# Altium PCB APP_1_PCB.PcbDoc (part 3 of 5) (continued)
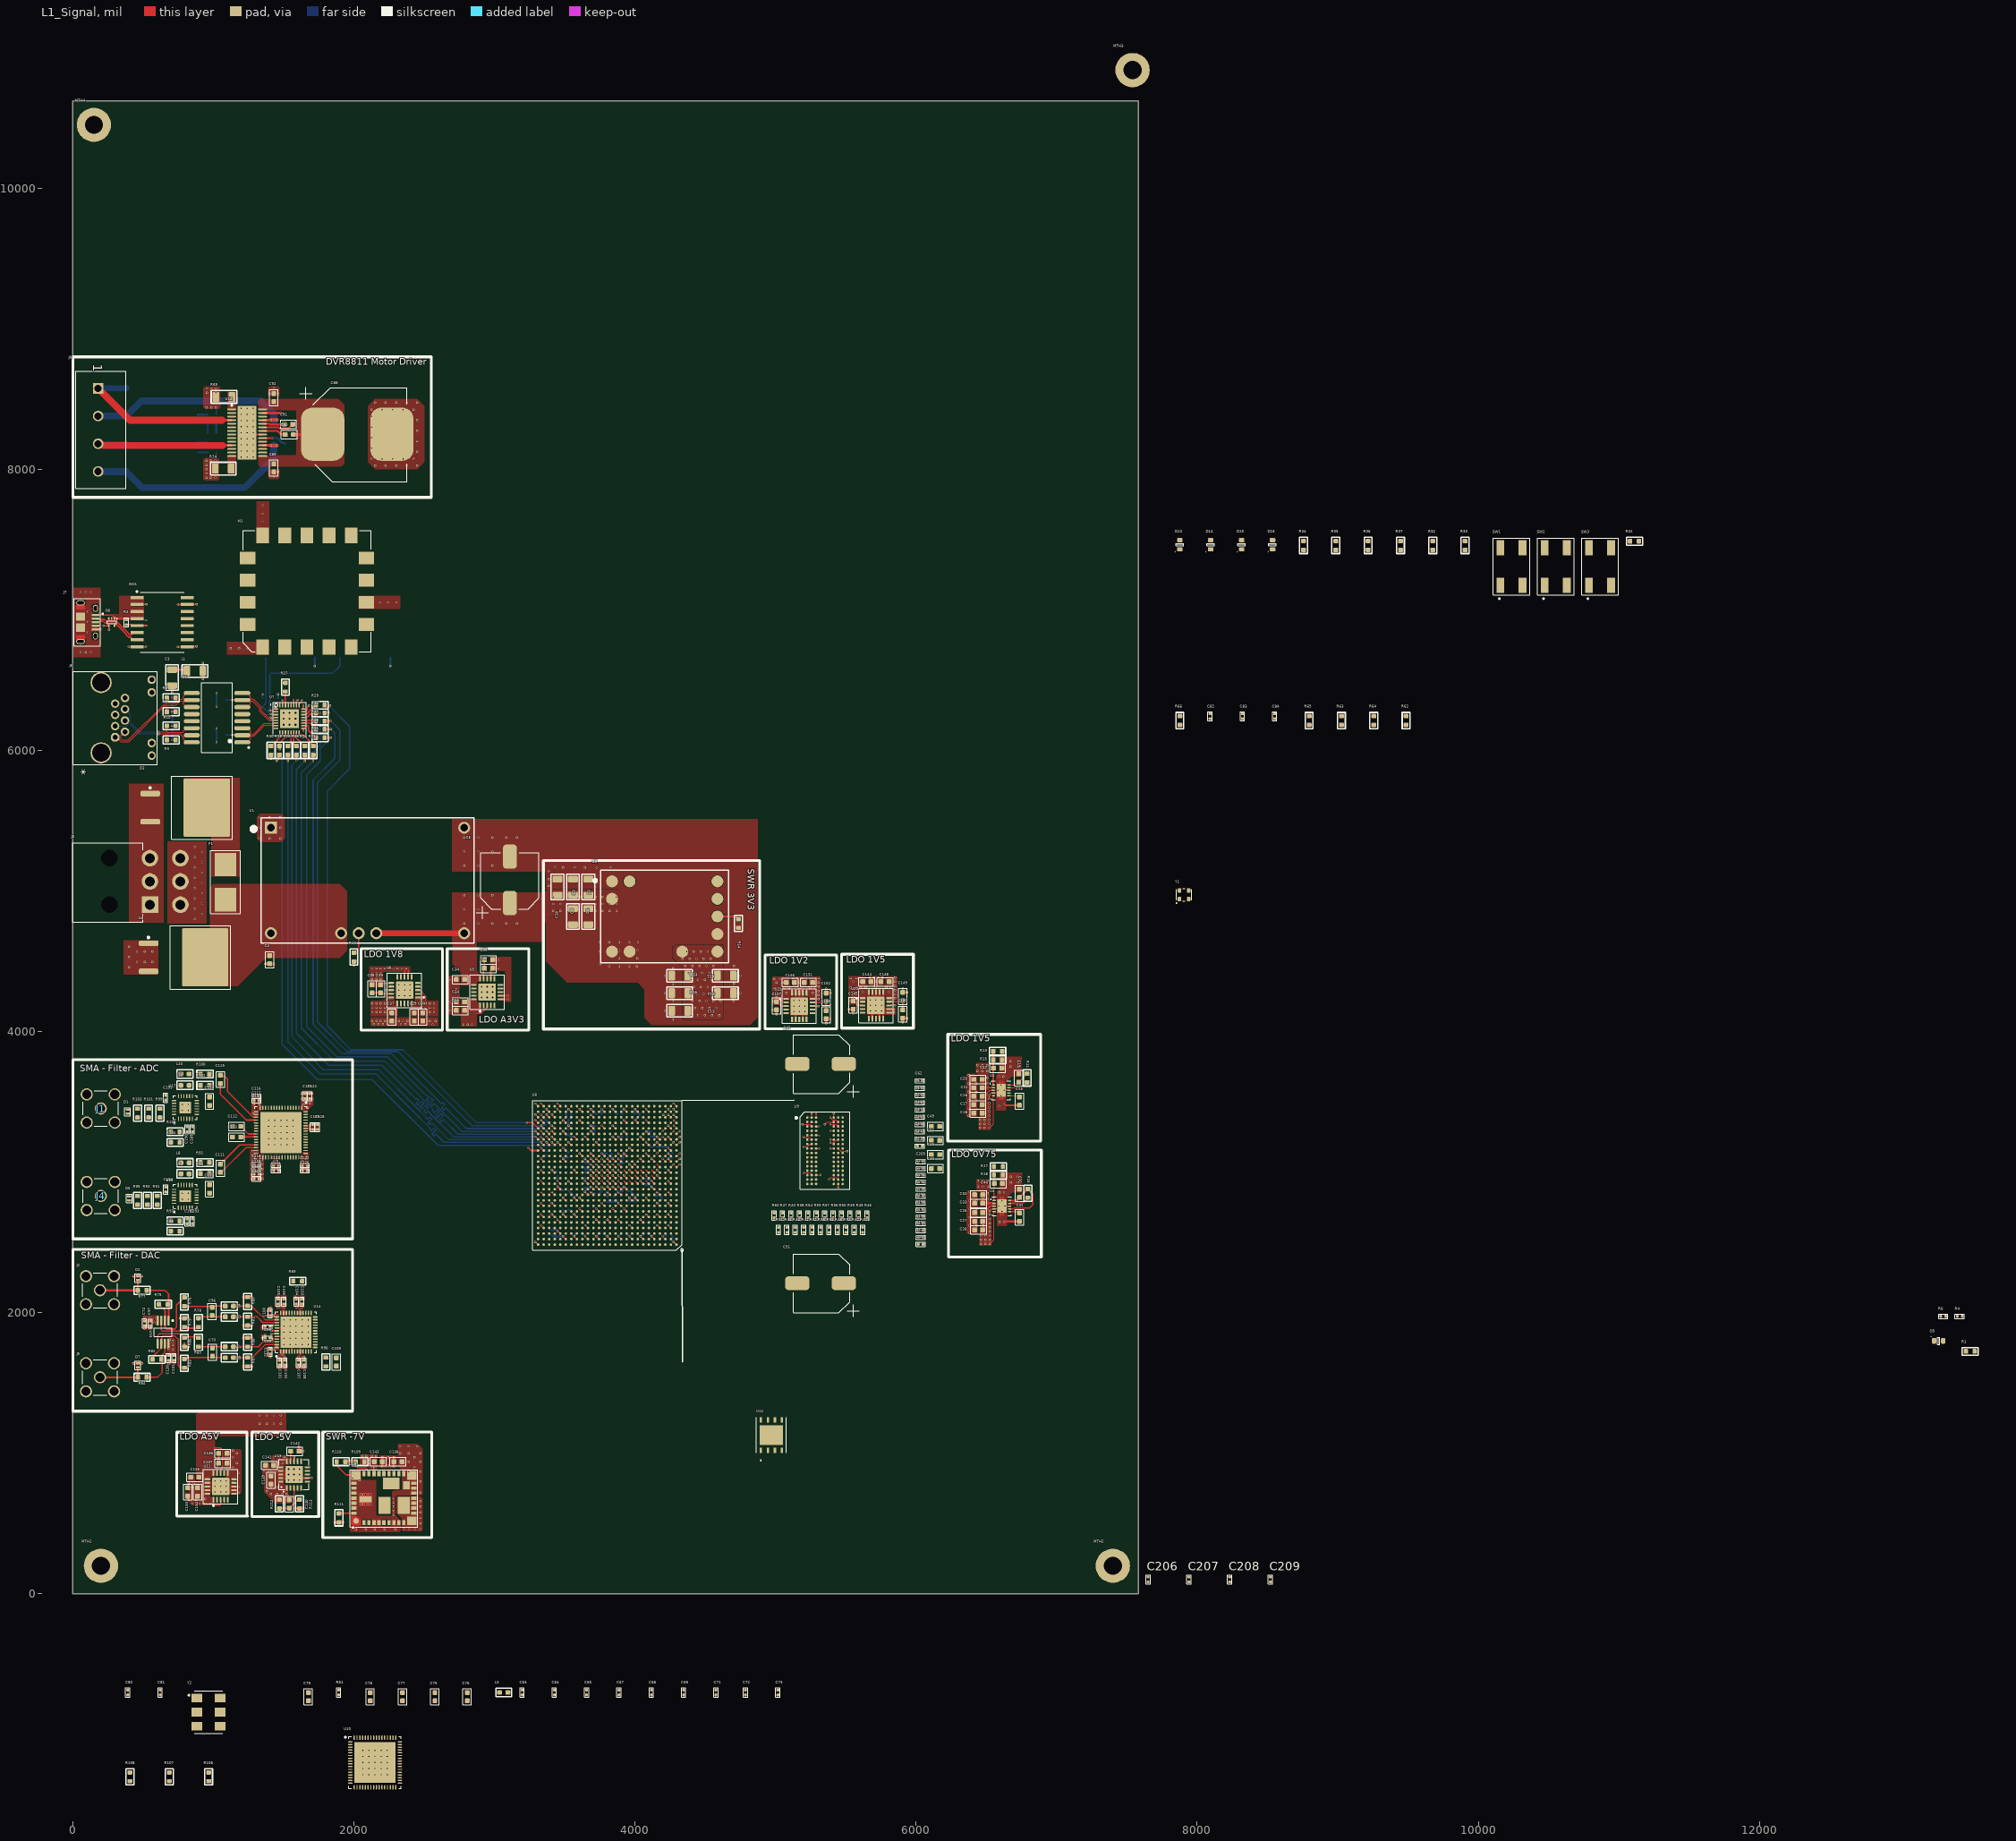
[diagram p0: L1_Signal view]
## Nets (pads, with @x,y where several pads share a name; then routed paths per layer and width w, separated by ;. In a path a pad name is that pad's centre, name@x,y a point inside that pad or via, vN(x,y) a via of type N, cw(c..) or ccw(c..) an arc to the next point about the centre after c; other vN are vias at no path point) (continued)
  L1_Signal w10: 4038.9,3015.92 U8.P7@4058.49,2996.33
DDR3_A4: R42.1 U8.N9 U9.P8 | length 27.9
  L1_Signal w3: 3960.09,2976.55 3960.16,2976.55 ; U8.N9@3979.75,2956.96 U8.N9@3979.83,2956.96
  L1_Signal w10: 3960.16,2976.55 U8.N9@3979.75,2956.96
DDR3_A5: R43.1 U8.R2 U9.P2 | length 1040.8
  L1_Signal w4: U8.R2@4255.42,3036.05 4255.69,3036.05 4274.93,3055.29 v2(4275.2,3055.29) ; v2(5200,2995) 5240.91,2995 U9.P2@5256.7,2979.21
  L3_Signal w7.04: v2(4275.2,3055.29) 4335.49,2995 v2(5200,2995)
DDR3_A6: R44.1 U8.R1 U9.R8 | length 1214.9
  L1_Signal w4: U8.R1@4294.79,3036.05 4297.23,3036.05 4316.47,3055.29 v2(4318.92,3055.29) ; v2(5380.4,2947.71) 5394.25,2961.57 5431.82,2961.57 U9.R8@5445.68,2947.71
  L3_Signal w7.04: v2(4318.92,3055.29) 5272.81,3055.29 v2(5380.4,2947.71)
DDR3_A7: R45.1 U8.P10 U9.R2 | length 27.9
  L1_Signal w3: 3920.72,3015.92 3920.79,3015.92 ; U8.P10@3940.38,2996.33 U8.P10@3940.46,2996.33
  L1_Signal w10: 3920.79,3015.92 U8.P10@3940.38,2996.33
DDR3_A8: R46.1 U8.N4 U9.T8 | length 54
  L1_Signal w3: U8.N4@4176.6,2956.96 U8.N4@4176.68,2956.96
  L1_Signal w10: v2(4157.01,2976.55) U8.N4@4176.6,2956.96 ; v2(5445.68,2890) U9.T8@5445.68,2916.22
DDR3_A9: R47.1 U8.N3 U9.R3
DDR3_A10: R48.1 U8.M10 U9.L7 | length 27.9
  L1_Signal w3: 3920.72,2937.18 3920.79,2937.18 ; U8.M10@3940.38,2917.59 U8.M10@3940.46,2917.59
  L1_Signal w10: 3920.79,2937.18 U8.M10@3940.38,2917.59
DDR3_A11: R49.1 U8.L3 U9.R7
DDR3_A12: R50.1 U8.M8 U9.N7 | length 27.9
  L1_Signal w3: 3999.46,2937.18 3999.53,2937.18 ; U8.M8@4019.12,2917.59 U8.M8@4019.2,2917.59
  L1_Signal w10: 3999.53,2937.18 U8.M8@4019.12,2917.59
DDR3_A13: R51.1 U8.M6 U9.T3 | length 27.9
  L1_Signal w3: 4078.2,2937.18 4078.27,2937.18 ; U8.M6@4097.86,2917.59 U8.M6@4097.94,2917.59
  L1_Signal w10: 4078.27,2937.18 U8.M6@4097.86,2917.59
DDR3_BA0: R52.1 U8.P3 U9.M2
DDR3_BA1: R53.1 U8.P1 U9.N8
DDR3_BA2: R54.1 U8.N5 U9.M3 | length 27.9
  L1_Signal w3: 4117.57,2976.55 4117.64,2976.55 ; U8.N5@4137.23,2956.96 U8.N5@4137.31,2956.96
  L1_Signal w10: 4117.64,2976.55 U8.N5@4137.23,2956.96
DDR3_CAS_N: R58.1 U8.P8 U9.K3 | length 27.9
  L1_Signal w3: 3999.46,3015.92 3999.53,3015.92 ; U8.P8@4019.12,2996.33 U8.P8@4019.2,2996.33
  L1_Signal w10: 3999.53,3015.92 U8.P8@4019.12,2996.33
DDR3_CK_N: R56.1 U8.R3 U9.K7
DDR3_CK_P: R55.2 U8.R4 U9.J7 | length 27.9
  L1_Signal w3: 4156.94,3055.29 4157.01,3055.29 ; U8.R4@4176.6,3035.7 U8.R4@4176.68,3035.7
  L1_Signal w10: 4157.01,3055.29 U8.R4@4176.6,3035.7
DDR3_CKE: U8.M9 | length 27.9
  L1_Signal w3: 3960.09,2937.18 3960.16,2937.18 ; U8.M9@3979.75,2917.59 U8.M9@3979.83,2917.59
  L1_Signal w10: 3960.16,2937.18 U8.M9@3979.75,2917.59
DDR3_DM: U8.W3
DDR3_DQ0: U8.Y3 U9.E3 | length 1425.3
  L1_Signal w4: v2(4195.95,3252.14) 4196.38,3252.14 4215.62,3232.9 U8.Y3@4216.05,3232.9 ; U9.E3@5288.2,3262.67 v2(5310,3262.67)
  L3_Signal w7.04: v2(4195.95,3252.14) 4197.13,3253.33 4214,3253.33 4226.84,3266.16 4864.95,3266.16 4868.47,3266.16 ccw(c4868.47,3273.2) 4875.5,3273.2 4875.5,3280.14 cw(c4881.52,3280.14) 4881.52,3286.16 cw(c4881.52,3280.14) 4887.54,3280.14 4887.54,3252.18 ccw(c4893.56,3252.18) 4893.56,3246.16 ccw(c4893.56,3252.18) 4899.58,3252.18 4899.58,3280.14 cw(c4905.6,3280.14) 4905.6,3286.16 cw(c4905.6,3280.14) 4911.62,3280.14 4911.62,3252.18 ccw(c4917.64,3252.18) 4917.64,3246.16 ccw(c4917.64,3252.18) 4923.66,3252.18 4923.66,3280.14 cw(c4929.68,3280.14) 4929.68,3286.16 cw(c4929.68,3280.14) 4935.7,3280.14 4935.7,3252.18 ccw(c4941.72,3252.18) 4941.72,3246.16 ccw(c4941.72,3252.18) 4947.73,3252.18 4947.73,3277.81 cw(c4953.75,3277.81) 4953.75,3283.83 cw(c4953.75,3277.81) 4959.77,3277.81 4959.77,3259.12 ccw(c4965.79,3259.12) 4965.79,3253.1 ccw(c4965.79,3259.12) 4971.81,3259.12 cw(c4978.85,3259.12) 4978.85,3266.16 5100.19,3266.16 5304.35,3266.16 5307.85,3262.67 v2(5310,3262.67)
DDR3_DQ1: U8.Y1 U9.F7 | length 1425.2
  L1_Signal w4: U8.Y1@4294.79,3232.9 4297.23,3232.9 4316.47,3252.14 v2(4318.92,3252.14) ; v2(5390,3231.18) U9.F7@5414.18,3231.18
  L3_Signal w7.04: v2(4318.92,3252.14) 4520,3252.14 4535.56,3252.14 cw(c4535.56,3245.11) 4542.6,3245.11 4542.6,3238.16 ccw(c4548.62,3238.16) 4548.62,3232.14 ccw(c4548.62,3238.16) 4554.64,3238.16 4554.64,3250.11 cw(c4560.65,3250.11) 4560.65,3256.12 cw(c4560.65,3250.11) 4566.67,3250.11 4566.67,3238.16 ccw(c4572.69,3238.16) 4572.69,3232.14 ccw(c4572.69,3238.16) 4578.71,3238.16 4578.71,3250.11 cw(c4584.73,3250.11) 4584.73,3256.12 cw(c4584.73,3250.11) 4590.75,3250.11 4590.75,3238.16 ccw(c4596.77,3238.16) 4596.77,3232.14 ccw(c4596.77,3238.16) 4602.79,3238.16 4602.79,3250.11 cw(c4608.81,3250.11) 4608.81,3256.12 cw(c4608.81,3250.11) 4614.83,3250.11 4614.83,3238.16 ccw(c4620.85,3238.16) 4620.85,3232.14 ccw(c4620.85,3238.16) 4626.87,3238.16 4626.87,3250.11 cw(c4632.89,3250.11) 4632.89,3256.12 cw(c4632.89,3250.11) 4638.9,3250.11 4638.9,3238.16 ccw(c4644.92,3238.16) 4644.92,3232.14 ccw(c4644.92,3238.16) 4650.94,3238.16 4650.94,3250.11 cw(c4656.96,3250.11) 4656.96,3256.12 cw(c4656.96,3250.11) 4662.98,3250.11 4662.98,3238.16 ccw(c4669,3238.16) 4669,3232.14 ccw(c4669,3238.16) 4675.02,3238.16 4675.02,3250.11 cw(c4681.04,3250.11) 4681.04,3256.12 cw(c4681.04,3250.11) 4687.06,3250.11 4687.06,3238.16 ccw(c4693.08,3238.16) 4693.08,3232.14 ccw(c4693.08,3238.16) 4699.1,3238.16 4699.1,3250.11 cw(c4705.12,3250.11) 4705.12,3256.12 cw(c4705.12,3250.11) 4711.14,3250.11 4711.14,3239.67 ccw(c4717.15,3239.67) 4717.15,3233.65 ccw(c4717.16,3239.67) 4723.17,3239.67 4723.17,3245.11 cw(c4730.21,3245.11) 4730.21,3252.14 4816.28,3252.14 4843.98,3252.14 4864.95,3231.18 v2(5390,3231.18)
DDR3_DQ2: U8.W2 U9.F2 | length 1331.2
  L1_Signal w4: v2(5200,3250) 5201.19,3248.81 5239.06,3248.81 U9.F2@5256.7,3231.18
  L1_Signal w7.04: U8.W2@4255.42,3193.53 4256.07,3193.53 4274.54,3212 v2(4275.2,3212)
  L10_Signal w7.04: v2(4275.2,3212) 4289.22,3226.02 4609.65,3226.02 4613.17,3226.02 ccw(c4613.17,3233.06) 4620.21,3233.06 4620.21,3240 cw(c4626.23,3240) 4626.23,3246.02 cw(c4626.23,3240) 4632.25,3240 4632.25,3212.04 ccw(c4638.27,3212.04) 4638.27,3206.02 ccw(c4638.27,3212.04) 4644.29,3212.04 4644.29,3240 cw(c4650.31,3240) 4650.31,3246.02 cw(c4650.31,3240) 4656.33,3240 4656.33,3212.04 ccw(c4662.34,3212.04) 4662.34,3206.02 ccw(c4662.34,3212.04) 4668.36,3212.04 4668.36,3240 cw(c4674.38,3240) 4674.38,3246.02 cw(c4674.38,3240) 4680.4,3240 4680.4,3212.04 ccw(c4686.42,3212.04) 4686.42,3206.02 ccw(c4686.42,3212.04) 4692.44,3212.04 4692.44,3240 cw(c4698.46,3240) 4698.46,3246.02 cw(c4698.46,3240) 4704.48,3240 4704.48,3212.04 ccw(c4710.5,3212.04) 4710.5,3206.02 ccw(c4710.5,3212.04) 4716.52,3212.04 4716.52,3235.65 cw(c4722.54,3235.65) 4722.54,3241.66 cw(c4722.54,3235.65) 4728.56,3235.65 4728.56,3233.06 ccw(c4735.59,3233.06) 4735.59,3226.02 4965.72,3226.02 5176.02,3226.02 v2(5200,3250)
DDR3_DQ3: U8.W1 U9.F8 | length 1426
  L1_Signal w4: U8.W1@4294.79,3193.53 4311.15,3209.9 4316.82,3209.9 v2(4318.92,3212) ; v2(5390,3210) 5404.9,3210 5408.44,3213.54 5416.14,3213.54 5431.15,3228.55 5443.05,3228.55 U9.F8@5445.68,3231.18
  L3_Signal w7.04: v2(4318.92,3212) 4319.92,3211 4476.03,3211 4479.55,3211 ccw(c4479.55,3218.04) 4486.59,3218.04 4486.59,3224.98 cw(c4492.61,3224.98) 4492.61,3231 cw(c4492.61,3224.98) 4498.63,3224.98 4498.63,3197.02 ccw(c4504.65,3197.02) 4504.65,3191 ccw(c4504.65,3197.02) 4510.66,3197.02 4510.66,3224.98 cw(c4516.68,3224.98) 4516.68,3231 cw(c4516.68,3224.98) 4522.7,3224.98 4522.7,3197.02 ccw(c4528.72,3197.02) 4528.72,3191 ccw(c4528.72,3197.02) 4534.74,3197.02 4534.74,3216.09 cw(c4540.76,3216.09) 4540.76,3222.11 cw(c4540.76,3216.09) 4546.78,3216.09 4546.78,3197.02 ccw(c4552.8,3197.02) 4552.8,3191 ccw(c4552.8,3197.02) 4558.82,3197.02 4558.82,3216.09 cw(c4564.84,3216.09) 4564.84,3222.11 cw(c4564.84,3216.09) 4570.86,3216.09 4570.86,3200.54 ccw(c4576.88,3200.54) 4576.88,3194.52 ccw(c4576.88,3200.54) 4582.9,3200.54 4582.9,3211 cw(c4588.92,3211) 4588.92,3217.02 cw(c4588.92,3211) 4594.93,3211 4594.93,3203.96 ccw(c4600.95,3203.96) 4600.95,3197.94 ccw(c4600.95,3203.96) 4606.97,3203.96 cw(c4614.01,3203.96) 4614.01,3211 4825.15,3211 5389,3211 v2(5390,3210)
DDR3_DQ4: U8.T3 U9.H3 | length 1331.1
  L1_Signal w4: v2(4196.38,3094.66) 4196.59,3094.66 4215.83,3075.42 U8.T3@4216.05,3075.42 ; U9.H3@5288.2,3168.18 v2(5310,3168.18)
  L10_Signal w7.04: v2(4196.38,3094.66) 4215.92,3094.66 4241.28,3120.01 4284.19,3120.01 4358.19,3194.02 4378.02,3194.02 4381.54,3194.02 ccw(c4381.54,3201.06) 4388.58,3201.06 4388.58,3208 cw(c4394.6,3208) 4394.6,3214.02 cw(c4394.6,3208) 4400.62,3208 4400.62,3180.04 ccw(c4406.64,3180.04) 4406.64,3174.02 ccw(c4406.64,3180.04) 4412.65,3180.04 4412.65,3206.38 cw(c4418.67,3206.38) 4418.67,3212.4 cw(c4418.67,3206.38) 4424.69,3206.38 4424.69,3186.98 ccw(c4430.71,3186.98) 4430.71,3180.96 ccw(c4430.71,3186.98) 4436.73,3186.98 cw(c4443.77,3186.98) 4443.77,3194.02 4617.53,3194.02 5284.16,3194.02 v2(5310,3168.18)
DDR3_DQ5: U8.T1 U9.H8 | length 1425.4
  L1_Signal w4: U8.T1@4294.79,3075.07 4297.06,3075.07 4316.65,3094.66 v2(4318.92,3094.66) ; U9.H8@5445.68,3168.18 5463.31,3150.55 5509.45,3150.55 v2(5510,3150)
  L3_Signal w7.04: v2(4318.92,3094.66) 4520,3094.66 4542.6,3094.66 4546.12,3094.66 ccw(c4546.12,3101.7) 4553.16,3101.7 4553.16,3108.64 cw(c4559.17,3108.64) 4559.17,3114.66 cw(c4559.17,3108.64) 4565.19,3108.64 4565.19,3080.68 ccw(c4571.21,3080.68) 4571.21,3074.66 ccw(c4571.21,3080.68) 4577.23,3080.68 4577.23,3102.59 cw(c4583.25,3102.59) 4583.25,3108.61 cw(c4583.25,3102.59) 4589.27,3102.59 4589.27,3087.62 ccw(c4595.29,3087.62) 4595.29,3081.61 ccw(c4595.29,3087.62) 4601.31,3087.62 cw(c4608.35,3087.63) 4608.35,3094.66 4660,3094.66 4875.5,3094.66 5454.66,3094.66 v2(5510,3150)
DDR3_DQ6: U8.U2 U9.G2 | length 1425.6
  L1_Signal w4: v2(4235.75,3134.03) U8.U2@4255.38,3114.44 ; v2(5200,3180) 5202.04,3182.04 5227.16,3182.04 5242.18,3197.06 5254.07,3197.06 U9.G2@5256.7,3199.68
  L3_Signal w7.04: v2(4235.75,3134.03) 4281.72,3180 4606.97,3180 4610.49,3180 ccw(c4610.49,3187.04) 4617.53,3187.04 4617.53,3193.98 cw(c4623.55,3193.98) 4623.55,3200 cw(c4623.55,3193.98) 4629.57,3193.98 4629.57,3166.02 ccw(c4635.59,3166.02) 4635.59,3160 ccw(c4635.59,3166.02) 4641.61,3166.02 4641.61,3193.98 cw(c4647.63,3193.98) 4647.63,3200 cw(c4647.63,3193.98) 4653.65,3193.98 4653.65,3166.02 ccw(c4659.67,3166.02) 4659.67,3160 ccw(c4659.67,3166.02) 4665.69,3166.02 4665.69,3193.98 cw(c4671.7,3193.98) 4671.7,3200 cw(c4671.7,3193.98) 4677.72,3193.98 4677.72,3166.02 ccw(c4683.74,3166.02) 4683.74,3160 ccw(c4683.74,3166.02) 4689.76,3166.02 4689.76,3193.98 cw(c4695.78,3193.98) 4695.78,3200 cw(c4695.78,3193.98) 4701.8,3193.98 4701.8,3166.02 ccw(c4707.82,3166.02) 4707.82,3160 ccw(c4707.82,3166.02) 4713.84,3166.02 4713.84,3193.98 cw(c4719.86,3193.98) 4719.86,3200 cw(c4719.86,3193.98) 4725.88,3193.98 4725.88,3172.78 ccw(c4731.9,3172.78) 4731.9,3166.77 ccw(c4731.9,3172.78) 4737.92,3172.78 4737.92,3187.04 cw(c4743.94,3187.04) 4743.94,3193.06 cw(c4743.94,3187.04) 4749.95,3187.04 ccw(c4756.99,3187.04) 4756.99,3180 4965.79,3180 v2(5200,3180)
DDR3_DQ7: U8.U1 U9.H7 | length 1331.7
  L1_Signal w4: U8.U1@4294.79,3114.44 4296.61,3114.44 4317.09,3134.92 v2(4318.92,3134.92) ; v2(5390,3168.18) U9.H7@5414.18,3168.18
  L10_Signal w7.04: v2(4318.92,3134.92) 4455.2,3134.92 4458.72,3134.92 ccw(c4458.72,3141.96) 4465.76,3141.96 4465.76,3148.9 cw(c4471.78,3148.9) 4471.78,3154.92 cw(c4471.78,3148.9) 4477.8,3148.9 4477.8,3120.94 ccw(c4483.82,3120.94) 4483.82,3114.92 ccw(c4483.82,3120.94) 4489.83,3120.94 4489.83,3148.9 cw(c4495.85,3148.9) 4495.85,3154.92 cw(c4495.85,3148.9) 4501.87,3148.9 4501.87,3120.94 ccw(c4507.89,3120.94) 4507.89,3114.92 ccw(c4507.89,3120.94) 4513.91,3120.94 4513.91,3148.9 cw(c4519.93,3148.9) 4519.93,3154.92 cw(c4519.93,3148.9) 4525.95,3148.9 4525.95,3127.4 ccw(c4531.97,3127.4) 4531.97,3121.39 ccw(c4531.97,3127.4) 4537.99,3127.4 4537.99,3127.88 cw(c4545.03,3127.88) 4545.03,3134.92 4880,3134.92 5356.74,3134.92 v2(5390,3168.18)
DDR3_DQ8: U8.AA2 U9.D7 | length 1422.1
  L1_Signal w4: U8.AA2@4255.42,3272.27 4255.82,3272.27 4275.49,3291.94 v2(4275.89,3291.94) ; v2(5390,3294.17) U9.D7@5414.18,3294.17
  L3_Signal w7.04: v2(4275.89,3291.94) 4289.91,3277.92 4708.16,3277.92 4730.32,3300.09 4733.84,3300.09 ccw(c4733.84,3307.13) 4740.88,3307.13 4740.88,3314.07 cw(c4746.9,3314.07) 4746.9,3320.09 cw(c4746.9,3314.07) 4752.92,3314.07 4752.92,3286.11 ccw(c4758.94,3286.11) 4758.94,3280.09 ccw(c4758.94,3286.11) 4764.96,3286.11 4764.96,3314.07 cw(c4770.98,3314.07) 4770.98,3320.09 cw(c4770.98,3314.07) 4777,3314.07 4777,3286.11 ccw(c4783.02,3286.11) 4783.02,3280.09 ccw(c4783.02,3286.11) 4789.04,3286.11 4789.04,3314.07 cw(c4795.05,3314.07) 4795.05,3320.09 cw(c4795.05,3314.07) 4801.07,3314.07 4801.07,3286.11 ccw(c4807.09,3286.11) 4807.09,3280.09 ccw(c4807.09,3286.11) 4813.11,3286.11 4813.11,3314.07 cw(c4819.13,3314.07) 4819.13,3320.09 cw(c4819.13,3314.07) 4825.15,3314.07 4825.15,3307.13 ccw(c4832.19,3307.13) 4832.19,3300.09 4986.94,3300.09 5381.92,3300.09 5387.85,3294.17 v2(5390,3294.17)
DDR3_DQ9: U8.AA1 U9.C3 | length 1331.3
  L1_Signal w3: U8.AA1@4294.79,3272.27 U8.AA1@4295.88,3272.27 ; v2@4315.55,3291.94 v2(4316.65,3291.94)
  L1_Signal w7.04: U8.AA1@4295.88,3272.27 v2@4315.55,3291.94 ; U9.C3@5288.2,3325.66 v2(5310,3325.66)
  L10_Signal w7.04: v2(4316.65,3291.94) 4475.94,3291.94 4479.46,3291.94 ccw(c4479.46,3298.98) 4486.5,3298.98 4486.5,3305.92 cw(c4492.52,3305.92) 4492.52,3311.94 cw(c4492.52,3305.92) 4498.54,3305.92 4498.54,3277.96 ccw(c4504.56,3277.96) 4504.56,3271.94 ccw(c4504.56,3277.96) 4510.58,3277.96 4510.58,3305.92 cw(c4516.6,3305.92) 4516.6,3311.94 cw(c4516.6,3305.92) 4522.62,3305.92 4522.62,3277.96 ccw(c4528.64,3277.96) 4528.64,3271.94 ccw(c4528.64,3277.96) 4534.66,3277.96 4534.66,3305.92 cw(c4540.68,3305.92) 4540.68,3311.94 cw(c4540.68,3305.92) 4546.69,3305.92 4546.69,3277.96 ccw(c4552.71,3277.96) 4552.71,3271.94 ccw(c4552.71,3277.96) 4558.73,3277.96 4558.73,3305.92 cw(c4564.75,3305.92) 4564.75,3311.94 cw(c4564.75,3305.92) 4570.77,3305.92 4570.77,3278.18 ccw(c4576.79,3278.18) 4576.79,3272.16 ccw(c4576.79,3278.18) 4582.81,3278.18 4582.81,3284.91 cw(c4589.85,3284.91) 4589.85,3291.94 4965.72,3291.94 5276.28,3291.94 v2(5310,3325.66)
DDR3_DQ10: U8.AE2 U9.C8 | length 1424.7
  L1_Signal w4: v2(4235.75,3448.99) v2@4235.96,3448.99 ; U8.AE2@4255.2,3429.75 U8.AE2@4255.42,3429.75 ; v2(5390,3340) 5431.34,3340 U9.C8@5445.68,3325.66
  L1_Signal w7.04: v2@4235.96,3448.99 U8.AE2@4255.2,3429.75
  L3_Signal w7.04: v2(4235.75,3448.99) 4237.15,3450.4 4253.81,3450.4 4266.43,3463.01 4523.65,3463.01 4527.17,3463.01 ccw(c4527.17,3470.05) 4534.2,3470.05 4534.2,3476.99 cw(c4540.22,3476.99) 4540.22,3483.01 cw(c4540.22,3476.99) 4546.24,3476.99 4546.24,3465.05 ccw(c4552.26,3465.05) 4552.26,3459.03 ccw(c4552.26,3465.05) 4558.28,3465.05 4558.28,3476.99 cw(c4564.3,3476.99) 4564.3,3483.01 cw(c4564.3,3476.99) 4570.32,3476.99 4570.32,3465.05 ccw(c4576.34,3465.05) 4576.34,3459.03 ccw(c4576.34,3465.05) 4582.36,3465.05 4582.36,3475.34 cw(c4588.38,3475.34) 4588.38,3481.36 cw(c4588.38,3475.34) 4594.4,3475.34 4594.4,3465.05 ccw(c4600.42,3465.05) 4600.42,3459.03 ccw(c4600.42,3465.05) 4606.43,3465.05 4606.43,3470.05 cw(c4612.45,3470.05) 4612.45,3476.07 cw(c4612.45,3470.05) 4618.47,3470.05 ccw(c4625.51,3470.05) 4625.51,3463.01 4784.89,3463.01 5266.99,3463.01 v2(5390,3340)
DDR3_DQ11: U8.AE1 U9.C2 | length 1424.7
  L1_Signal w4: v2(4275.12,3448.99) v2@4275.33,3448.99 ; U8.AE1@4294.57,3429.75 U8.AE1@4294.79,3429.75 ; v2(5190,3340) 5242.36,3340 U9.C2@5256.7,3325.66
  L1_Signal w7.04: v2@4275.33,3448.99 U8.AE1@4294.57,3429.75
  L3_Signal w7.04: v2(4275.12,3448.99) 4697.38,3448.99 4712.94,3448.99 cw(c4712.94,3441.96) 4719.98,3441.96 4719.98,3435.01 ccw(c4726,3435.01) 4726,3428.99 ccw(c4726,3435.01) 4732.02,3435.01 4732.02,3446.96 cw(c4738.03,3446.96) 4738.03,3452.98 cw(c4738.03,3446.96) 4744.05,3446.96 4744.05,3435.01 ccw(c4750.07,3435.01) 4750.07,3428.99 ccw(c4750.07,3435.01) 4756.09,3435.01 4756.09,3446.96 cw(c4762.11,3446.96) 4762.11,3452.98 cw(c4762.11,3446.96) 4768.13,3446.96 4768.13,3435.01 ccw(c4774.15,3435.01) 4774.15,3428.99 ccw(c4774.15,3435.01) 4780.17,3435.01 4780.17,3446.96 cw(c4786.19,3446.96) 4786.19,3452.98 cw(c4786.19,3446.96) 4792.21,3446.96 4792.21,3435.01 ccw(c4798.23,3435.01) 4798.23,3428.99 ccw(c4798.23,3435.01) 4804.25,3435.01 4804.25,3446.96 cw(c4810.27,3446.96) 4810.27,3452.98 cw(c4810.27,3446.96) 4816.28,3446.96 4816.28,3435.01 ccw(c4822.3,3435.01) 4822.3,3428.99 ccw(c4822.3,3435.01) 4828.32,3435.01 4828.32,3446.96 cw(c4834.34,3446.96) 4834.34,3452.98 cw(c4834.34,3446.96) 4840.36,3446.96 4840.36,3435.01 ccw(c4846.38,3435.01) 4846.38,3428.99 ccw(c4846.38,3435.01) 4852.4,3435.01 4852.4,3446.96 cw(c4858.42,3446.96) 4858.42,3452.98 cw(c4858.42,3446.96) 4864.44,3446.96 4864.44,3435.01 ccw(c4870.46,3435.01) 4870.46,3428.99 ccw(c4870.46,3435.01) 4876.48,3435.01 4876.48,3446.96 cw(c4882.5,3446.96) 4882.5,3452.98 cw(c4882.5,3446.96) 4888.52,3446.96 4888.52,3435.01 ccw(c4894.53,3435.01) 4894.53,3428.99 ccw(c4894.54,3435.01) 4900.55,3435.01 4900.55,3446.96 cw(c4906.57,3446.96) 4906.57,3452.98 cw(c4906.57,3446.96) 4912.59,3446.96 4912.59,3435.01 ccw(c4918.61,3435.01) 4918.61,3428.99 ccw(c4918.61,3435.01) 4924.63,3435.01 4924.63,3446.96 cw(c4930.65,3446.96) 4930.65,3452.98 cw(c4930.65,3446.96) 4936.67,3446.96 4936.67,3436.51 ccw(c4942.69,3436.51) 4942.69,3430.49 ccw(c4942.69,3436.51) 4948.71,3436.51 4948.71,3441.96 cw(c4955.75,3441.96) 4955.75,3448.99 5050,3448.99 5081.01,3448.99 v2(5190,3340)
DDR3_DQ12: U8.AD3 U9.A7 | length 1331.1
  L1_Signal w3: U9.A7@5414.18,3388.66 v2(5414.18,3420)
  L1_Signal w4: v2@4200,3406.57 v2(4200,3406.72) ; U8.AD3@4216.05,3390.38 U8.AD3@4216.05,3390.53
  L1_Signal w7.04: v2@4200,3406.57 U8.AD3@4216.05,3390.53
  L10_Signal w7.04: v2(4200,3406.72) 4201.52,3408.24 4217.82,3408.24 4243.6,3434.02 4316.65,3434.02 4320.17,3434.02 ccw(c4320.17,3441.06) 4327.21,3441.06 4327.21,3445.86 cw(c4333.23,3445.86) 4333.23,3451.88 cw(c4333.23,3445.86) 4339.25,3445.86 4339.25,3426.98 ccw(c4345.27,3426.98) 4345.27,3420.96 ccw(c4345.27,3426.98) 4351.28,3426.98 cw(c4358.32,3426.98) 4358.32,3434.02 4462.79,3434.02 5400.16,3434.02 v2(5414.18,3420)
DDR3_DQ13: U8.AD1 U9.A2 | length 1326
  L1_Signal w4: v2(4275.2,3406.72) v2@4276.82,3406.72 ; U8.AD1@4293.16,3390.38 U8.AD1@4294.79,3390.38 ; U9.A2@5256.7,3388.66 v2(5256.7,3420)
  L1_Signal w7.04: v2@4276.82,3406.72 U8.AD1@4293.16,3390.38
  L10_Signal w7.04: v2(4275.2,3406.72) 4358.32,3406.72 4361.84,3406.72 ccw(c4361.84,3413.75) 4368.88,3413.75 4368.88,3417.96 cw(c4374.9,3417.96) 4374.9,3423.98 cw(c4374.9,3417.96) 4380.92,3417.96 4380.92,3411.93 ccw(c4386.94,3411.93) 4386.94,3405.91 ccw(c4386.94,3411.93) 4392.96,3411.93 4392.96,3417.96 cw(c4398.98,3417.96) 4398.98,3423.98 cw(c4398.98,3417.96) 4405,3417.96 4405,3411.93 ccw(c4411.02,3411.93) 4411.02,3405.91 ccw(c4411.02,3411.93) 4417.04,3411.93 4417.04,3417.96 cw(c4423.05,3417.96) 4423.05,3423.98 cw(c4423.05,3417.96) 4429.07,3417.96 4429.07,3411.93 ccw(c4435.09,3411.93) 4435.09,3405.91 ccw(c4435.09,3411.93) 4441.11,3411.93 4441.11,3417.96 cw(c4447.13,3417.96) 4447.13,3423.98 cw(c4447.13,3417.96) 4453.15,3417.96 4453.15,3411.93 ccw(c4459.17,3411.93) 4459.17,3405.91 ccw(c4459.17,3411.93) 4465.19,3411.93 4465.19,3417.96 cw(c4471.21,3417.96) 4471.21,3423.98 cw(c4471.21,3417.96) 4477.23,3417.96 4477.23,3411.93 ccw(c4483.25,3411.93) 4483.25,3405.91 ccw(c4483.25,3411.93) 4489.27,3411.93 4489.27,3417.96 cw(c4495.29,3417.96) 4495.29,3423.98 cw(c4495.29,3417.96) 4501.3,3417.96 4501.31,3411.93 ccw(c4507.32,3411.93) 4507.32,3405.91 ccw(c4507.32,3411.93) 4513.34,3411.93 4513.34,3417.96 cw(c4519.36,3417.96) 4519.36,3423.98 cw(c4519.36,3417.96) 4525.38,3417.96 4525.38,3411.93 ccw(c4531.4,3411.93) 4531.4,3405.91 ccw(c4531.4,3411.93) 4537.42,3411.93 4537.42,3417.96 cw(c4543.44,3417.96) 4543.44,3423.98 cw(c4543.44,3417.96) 4549.46,3417.96 4549.46,3411.93 ccw(c4555.48,3411.93) 4555.48,3405.91 ccw(c4555.48,3411.93) 4561.5,3411.93 4561.5,3417.96 cw(c4567.52,3417.96) 4567.52,3423.98 cw(c4567.52,3417.96) 4573.54,3417.96 4573.54,3411.93 ccw(c4579.56,3411.93) 4579.56,3405.91 ccw(c4579.56,3411.93) 4585.57,3411.93 4585.57,3417.96 cw(c4591.59,3417.96) 4591.59,3423.98 cw(c4591.59,3417.96) 4597.61,3417.96 4597.61,3411.93 ccw(c4603.63,3411.93) 4603.63,3405.91 ccw(c4603.63,3411.93) 4609.65,3411.93 4609.65,3417.96 cw(c4615.67,3417.96) 4615.67,3423.98 cw(c4615.67,3417.96) 4621.69,3417.96 4621.69,3413.75 ccw(c4628.73,3413.75) 4628.73,3406.72 4725.1,3406.72 4808.34,3406.72 5243.42,3406.72 v2(5256.7,3420)
DDR3_DQ14: U8.AB3 U9.B8 | length 1331.1
  L1_Signal w4: v2(4195.95,3291.94) v2@4196.15,3291.94 ; U8.AB3@4215.85,3311.64 U8.AB3@4216.05,3311.64 ; v2(5390,3388.66) 5405.49,3373.17 5429.67,3373.17 U9.B8@5445.68,3357.16
  L1_Signal w7.04: v2@4196.15,3291.94 U8.AB3@4215.85,3311.64
  L10_Signal w7.04: v2(4195.95,3291.94) 4220.87,3316.87 4286.87,3316.87 4330,3360 4596.13,3360 5010,3360 5261.68,3360 5290.33,3388.66 v2(5390,3388.66)
DDR3_DQ15: U8.AB1 U9.A3 | length 1331.1
  L1_Signal w4: v2@4275.89,3330.71 v2(4275.89,3330.88) ; U8.AB1@4294.79,3311.64 U8.AB1@4294.79,3311.82 ; U9.A3@5288.2,3388.66 v2(5288.2,3420)
  L1_Signal w7.04: v2@4275.89,3330.71 U8.AB1@4294.79,3311.82
  L10_Signal w7.04: v2(4275.89,3330.88) 4340.89,3395.88 4392.96,3395.88 4408.52,3395.88 cw(c4408.52,3388.84) 4415.56,3388.84 4415.56,3381.9 ccw(c4421.57,3381.9) 4421.57,3375.88 ccw(c4421.57,3381.9) 4427.59,3381.9 4427.59,3389.86 cw(c4433.61,3389.86) 4433.61,3395.88 cw(c4433.61,3389.86) 4439.63,3389.86 4439.63,3381.9 ccw(c4445.65,3381.9) 4445.65,3375.88 ccw(c4445.65,3381.9) 4451.67,3381.9 4451.67,3389.86 cw(c4457.69,3389.86) 4457.69,3395.88 cw(c4457.69,3389.86) 4463.71,3389.86 4463.71,3381.9 ccw(c4469.73,3381.9) 4469.73,3375.88 ccw(c4469.73,3381.9) 4475.75,3381.9 4475.75,3389.86 cw(c4481.77,3389.86) 4481.77,3395.88 cw(c4481.77,3389.86) 4487.79,3389.86 4487.79,3381.9 ccw(c4493.81,3381.9) 4493.81,3375.88 ccw(c4493.81,3381.9) 4499.82,3381.9 4499.82,3389.86 cw(c4505.84,3389.86) 4505.84,3395.88 cw(c4505.84,3389.86) 4511.86,3389.86 4511.86,3381.9 ccw(c4517.88,3381.9) 4517.88,3375.88 ccw(c4517.88,3381.9) 4523.9,3381.9 4523.9,3389.86 cw(c4529.92,3389.86) 4529.92,3395.88 cw(c4529.92,3389.86) 4535.94,3389.86 4535.94,3381.9 ccw(c4541.96,3381.9) 4541.96,3375.88 ccw(c4541.96,3381.9) 4547.98,3381.9 4547.98,3389.86 cw(c4554,3389.86) 4554,3395.88 cw(c4554,3389.86) 4560.02,3389.86 4560.02,3381.93 ccw(c4566.04,3381.93) 4566.04,3375.91 ccw(c4566.04,3381.93) 4572.06,3381.93 4572.06,3389.86 cw(c4578.07,3389.86) 4578.07,3395.88 cw(c4578.08,3389.86) 4584.09,3389.86 4584.09,3388.84 ccw(c4590.11,3388.84) 4590.11,3382.82 ccw(c4590.11,3388.84) 4596.13,3388.84 ; 4596.13,3388.84 cw(c4603.17,3388.84) 4603.17,3395.88 4798.94,3395.88 5265.7,3395.88 5288.2,3418.37 v2(5288.2,3420)
DDR3_DQS_N: U8.V1
DDR3_DQS_P: U8.V3
DDR3_LDM: U9.E7
DDR3_LDQS_N: U9.G3
DDR3_LDQS_P: U9.F3
DDR3_ODT: R60.1 U8.P6 U9.K1 | length 27.9
  L1_Signal w3: 4078.2,3015.92 4078.27,3015.92 ; U8.P6@4097.86,2996.33 U8.P6@4097.94,2996.33
  L1_Signal w10: 4078.27,3015.92 U8.P6@4097.86,2996.33
DDR3_RAS_N: R57.1 U8.N8 U9.J3 | length 27.9
  L1_Signal w3: 3999.46,2976.55 3999.53,2976.55 ; U8.N8@4019.12,2956.96 U8.N8@4019.2,2956.96
  L1_Signal w10: 3999.53,2976.55 U8.N8@4019.12,2956.96
DDR3_RESET_N: U8.L4
DDR3_UDM: U8.V4 U9.D3 | length 26.7
  L1_Signal w3: v2(4157.43,3134.92) U8.V4@4176.33,3153.81
DDR3_UDQS_N: U8.AC1 U9.B7 | length 98.4
  L1_Signal w3: v2(4275.89,3369.9) U8.AC1@4294.79,3351.01 U8.AC1@4294.79,3350.66 ; v2(5350,3340) 5367.16,3357.16 U9.B7@5414.18,3357.16
DDR3_UDQS_P: U8.AC2 U9.C7
DDR3_WE_N: R59.1 U8.P5 U9.L3 | length 27.9
  L1_Signal w3: 4117.57,3015.92 4117.64,3015.92 ; U8.P5@4137.23,2996.33 U8.P5@4137.31,2996.33
  L1_Signal w10: 4117.64,3015.92 U8.P5@4137.23,2996.33
DEL_1: R34.2
DEL_2: R35.2
DEL_3: R36.2
DEL_4: R37.2
DRV_AOUT_1: D12.1 J8.1 U13.4 | length 1248.4
  L1_Signal w20: 1062.37,8349.57 U13.4@1129.76,8349.57
  L1_Signal w50: J8.1@180,8575.28 406.27,8349 1061.8,8349
  L12_Signal w40: J8.1@180,8575.28 182.36,8577.64 381.18,8577.64 D12.1@383.54,8580
DRV_AOUT_2: D11.1 J8.2 U13.25 | length 1477.3
  L1_Signal w20: U13.25@1350.24,8349.57 v1@1410,8349.57
  L1_Signal w30: v1(1410,8350) v1(1450,8350)
  L12_Signal w40: J8.2@180,8378.43 J8.2@180.79,8379.21 ; D11.1@382.76,8379.21 D11.1@383.54,8380
  L12_Signal w50: J8.2@180.79,8379.21 D11.1@382.76,8379.21 ; D11.1@383.54,8380 383.54,8381.97 486.57,8485 1340,8485 1430,8395 v1@1430,8350
  other v1: 1430,8349.13